# Altium PCB Copy of Main.PcbDoc (part 2 of 6)
Units mm, origin at the board's own origin, x right, y up, seen from the top; angles counter-clockwise.
Board outline 181.65 x 83.38 mm, 6 copper layers (Top Layer, Signal 1, GND, VCC, Signal 2, Bottom Layer), stack 0.816 mm thick; 297 components, 263 nets, 1171 pads, 811 vias.
Unrouted connection lines stored in the file: 292.
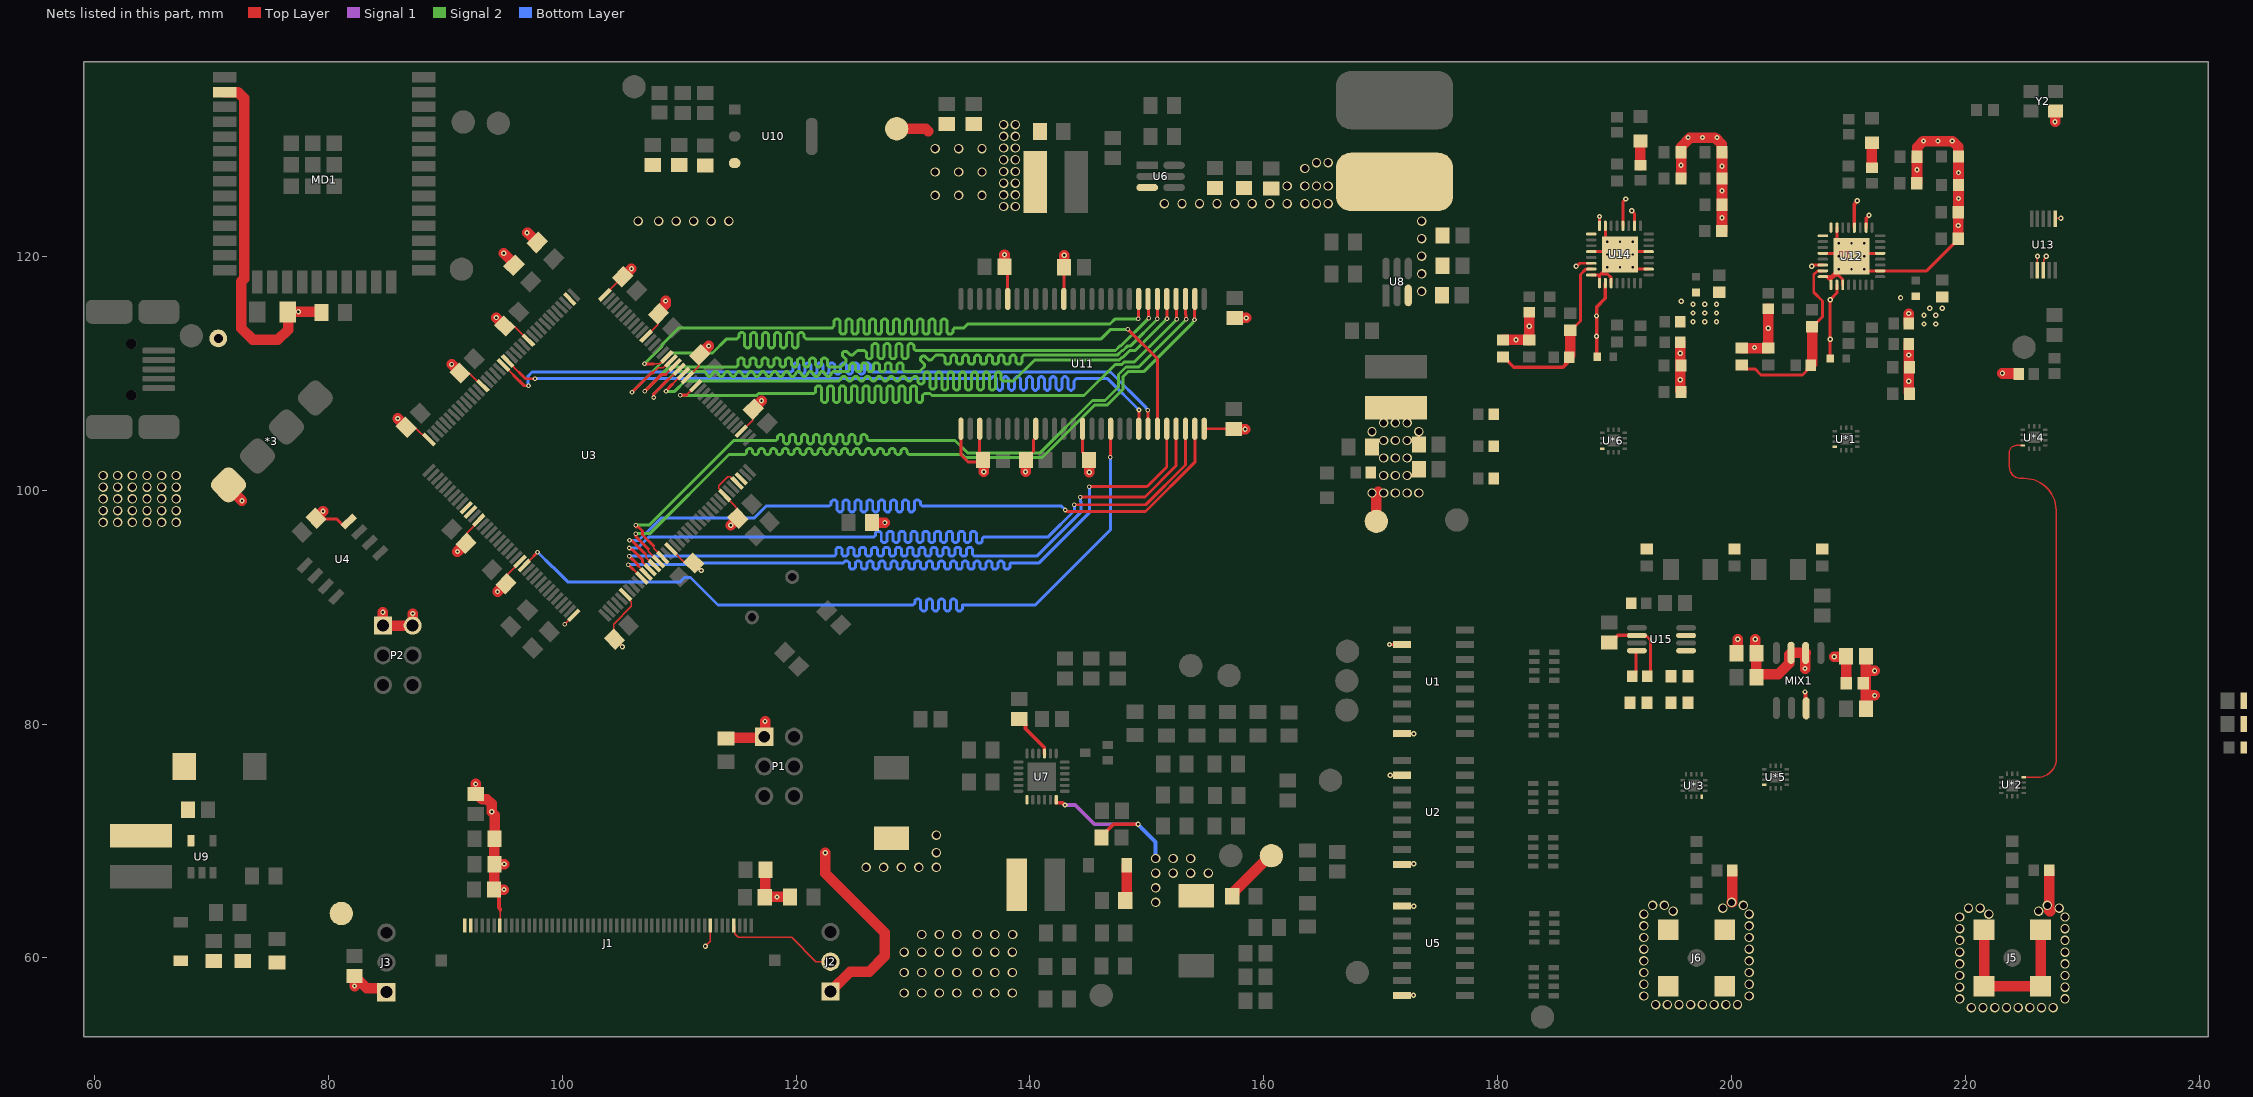
[diagram p5: the nets of this part, all layers, seen from the top]

## Via types
v1: diameter 0.8, hole 0.6, Top Layer to Bottom Layer, tented both sides, 397 vias
v2: diameter 0.45, hole 0.2, Top Layer to Bottom Layer, tented both sides, 228 vias
v3: diameter 0.4, hole 0.2, Top Layer to Bottom Layer, tented both sides, 138 vias
v4: diameter 0.45, hole 0.2, Top Layer to Bottom Layer, 25 vias
v5: diameter 0.5, hole 0.2, Top Layer to Bottom Layer, tented both sides, 23 vias

## Nets (pads, with @x,y where several pads share a name; then routed paths per layer and width w, separated by ;. In a path a pad name is that pad's centre, name@x,y a point inside that pad or via, vN(x,y) a via of type N, cw(c..) or ccw(c..) an arc to the next point about the centre after c; other vN are vias at no path point) (continued)
+3.3: *3.1 *11.1 C1.2 C2.2 C3.2 C4.2 C5.2 C6.2 C7.2 C10.2 C12.2 C13.2 C14.2 C15.2 C16.2 C17.2 C18.2 C19.2 C20.2 C21.2 C33.2 C34.2 C50.2 C51.2 C52.2 C59.2 C60.2 C61.2 C62.2 C63.2 C64.2 C65.2 C68.2 C69.2 C70.2 C71.2 C72.2 C73.2 C74.2 C75.2 C99.2 C101.2 C102.2 C103.2 C104.2 C105.2 C106.2 C107.2 C108.2 C109.2 C111.2 C112.2 C113.2 C116.2 C117.2 C118.2 C122.2 C123.2 C124.2 C147.2 C148.2 C149.2 C150.2 J1.7 J2.1 J3.1 L3.2 L5.1 L6.2 L7.2 L10.2 MD1.2 P1.1 P2.1 P2.2 R1.1 R2.2 R3.2 R4.2 R5.2 R8.1 R19.2 R23.1 R44.2 R58.2 U1.10 U1.16 U2.10 U2.16 U3.6 U3.17 U3.30 U3.33 U3.39 U3.52 U3.62 U3.72 U3.84 U3.95 U3.108 U3.121 U3.131 U3.144 U4.8 U5.10 U5.16 U10.3 U11.1 U11.3 U11.9 U11.14 U11.27 U11.43 U11.49 U12.6 U12.10 U12.26 U12.28 U12.32 U13.1 U13.7 U14.6 U14.10 U14.26 U14.28 U14.32 U*1.4 U*2.4 U*3.4 U*4.4 U*5.4 U*6.4 Y2.4 | length 237.4
  Top Layer w0.127: C13.2@86.674,105.374 86.745,105.303 87.497,105.303 88.424,104.376 U3.108@88.65,104.376 ; C14.2@91.274,110.024 92.033,110.024 93.135,108.922 U3.95@93.221,108.922 ; C150.2@91.776,95.449 91.847,95.52 91.847,96.324 92.867,97.345 U3.121@92.867,97.432 ; J1.7@94.675,62.775 94.7,62.8 94.7,64.1 ; C15.2@95.024,113.974 95.947,113.974 U3.84@97.11,112.811 ; C149.2@95.201,91.999 95.201,92.694 U3.131@96.403,93.896 ; v3@100.225,88.526 U3.144@100.999,89.3 101.353,89.653 U3.144@101.51,89.653 ; C148.2@103.63,87.32 C148.2@104.403,87.32 ; U3.72@103.651,116.7 103.651,116.728 C19.2@105.174,118.251 ; C148.2@104.474,87.249 C148.2@104.403,87.32 ; U3.6@105.419,91.068 105.419,90.981 105.93,90.47 105.93,90.067 104.403,88.541 C148.2@104.403,87.32 ; U3.62@107.186,113.165 108.178,114.157 108.178,115.005 C16.2@108.249,115.076 ; U3.17@109.308,94.957 109.312,94.957 110.492,93.776 C20.2@111.251,93.776 ; U3.52@110.722,109.629 111.703,110.61 111.703,111.505 C17.2@111.774,111.576 ; U3.33@114.965,100.614 114.878,100.614 114.367,101.125 114.148,101.125 113.393,100.369 113.393,100.151 113.904,99.64 U3.30@113.904,99.553 114.817,98.639 114.817,98.564 115.024,98.358 C21.2@115.024,97.599 ; U3.39@115.318,105.033 116.278,105.993 116.278,106.855 C18.2@116.349,106.926 ; U*4.4@224.904,103.823 224.323,103.823 ccw(c224.323,103.25) 223.75,103.25 223.75,102 ccw(c224.75,102) 224.75,101 225.032,101 cw(c225.032,98.282) 227.75,98.282 227.75,77 cw(c226.2,77) 226.2,75.45 U*2.4@224.975,75.45 ; U13.7@226.154,118.798 v4(226.154,119.998) ; U13.1@227.654,123.198 227.704,123.248 v4(228.154,123.248)
  Top Layer w0.254: C12.2@78.951,97.601 79.022,97.53 80.732,97.53 81.224,97.038 81.469,97.038 U4.8@81.752,97.321 ; C148.2@104.474,87.249 104.51,87.249 v2(105.155,86.604) ; C20.2@111.251,93.776 111.9,93.127 v2(111.9,93.125) ; U11.1@134.1,105.25 134.1,103.025 134.7,102.425 135.85,102.425 C62.2@136,102.575 135.7,102.875 U11.3@135.7,105.25 ; C65.2@137.825,119.1 138.1,118.825 U11.49@138.1,116.35 ; C61.2@139.65,102.575 139.65,102.675 140.301,103.326 140.301,104.296 140.5,104.495 U11.9@140.5,105.25 ; U11.43@142.9,116.35 142.9,119.025 C64.2@142.925,119.05 ; U11.14@144.5,105.25 144.5,103.225 145.05,102.675 C60.2@145.05,102.575 ; U11.27@154.9,105.25 157.4,105.25 C59.2@157.425,105.225 ; v2(170.75,86.795) 170.752,86.793 171.797,86.793 U1.10@171.8,86.79 ; v2(170.8,75.62) U2.10@171.8,75.62 ; U5.16@171.8,56.805 171.807,56.813 172.792,56.813 v2(172.8,56.82) ; U5.10@171.8,64.425 172.02,64.425 172.025,64.42 v2(172.825,64.42) ; U2.16@171.8,68 171.822,68.023 172.802,68.023 v2(172.825,68.045) ; U1.16@171.8,79.17 v2(172.825,79.17) ; v2(186.702,119.149) 186.755,119.149 187.005,119.399 U14.6@188.002,119.399 ; U14.32@188.702,122.599 v2(188.702,123.399) ; U14.28@190.702,122.599 190.702,124.649 v2(190.952,124.899) ; v2(191.452,123.899) 191.702,123.649 U14.26@191.702,122.599 ; v2(206.85,119.15) 206.95,119.25 U12.6@207.8,119.25 ; L5.1@208.45,111.25 208.425,111.25 v2(208.425,112.9) v2(208.425,116.278) 208.998,116.851 208.998,117.548 U12.10@209,117.55
  Top Layer w0.305: C7.2@94.175,65.85 94.6,65.425 94.6,64.3 94.7,64.2 94.7,64.1 ; L7.2@188.527,111.399 188.452,111.474 188.452,115.649 189.202,116.399 U14.10@189.202,117.699 ; U12.28@210.5,122.45 210.5,124.461 210.75,124.71 v2(210.75,124.75) ; U12.26@211.5,122.45 211.523,122.473 211.523,123.233 211.75,123.461 v2(211.75,123.5)
  Top Layer w0.9: MD1.2@71.165,134.04 72.264,134.04 72.815,133.489 72.815,118.081 72.575,117.841 72.575,113.84 73.565,112.85 75.7,112.85 76.575,113.725 76.575,115.2 C10.2@76.525,115.25 v2(77.45,115.25) R2.2@79.425,115.25 ; *3.1@71.475,100.45 71.475,100.25 v2(72.625,99.1) ; C12.2@78.951,97.601 v2(79.552,98.202) ; v2(82.25,57.6) C2.2@82.25,58.45 83.29,57.41 84.64,57.41 J3.1@84.975,57.075 ; v2(84.675,89.55) 84.675,88.42 P2.1@84.68,88.415 P2.2@87.22,88.415 87.225,88.42 v2(87.225,89.45) ; v2(85.95,106.125) 86.674,105.401 C13.2@86.674,105.374 ; v2(90.55,110.75) v2(90.55,110.75) C14.2@91.274,110.024 ; v2(91.05,94.75) 91.749,95.449 C150.2@91.776,95.449 ; v2(92.6,74.875) C3.2@92.6,74.025 92.7,74.025 93.15,73.575 93.569,73.575 93.974,73.17 v2(93.974,72.491) 94.25,72.215 94.25,70.225 C5.2@94.2,70.175 C6.2@94.2,68.025 ; v2(94.373,114.752) 95.097,114.028 C15.2@95.097,114.026 ; v2(94.475,91.325) 95.149,91.999 C149.2@95.201,91.999 ; v2(95,120.25) 95.893,119.357 R4.2@95.893,119.232 ; v2(95.025,65.85) C7.2@94.175,65.85 94.188,65.862 94.188,68.013 C6.2@94.2,68.025 ; v2(95.05,68.025) C6.2@94.2,68.025 ; v2(97,122) 97.05,122 R5.2@97.868,121.182 ; C19.2@105.174,118.251 105.251,118.251 v2(105.925,118.925) ; C16.2@108.249,115.076 108.249,115.288 108.847,115.887 v2(108.847,116.179) ; C17.2@111.774,111.576 111.776,111.576 v2(112.525,112.325) ; R8.1@114,78.775 114.07,78.845 117.21,78.845 P1.1@117.28,78.915 117.35,78.985 v2(117.35,80.225) ; v2(114.423,96.998) C21.2@115.024,97.599 ; C18.2@116.349,106.926 116.349,106.949 v2(117.05,107.65) ; C4.2@117.325,65.2 C4.2@117.337,65.213 ; C1.2@117.375,67.525 117.35,67.5 117.35,65.225 C4.2@117.337,65.213 ; R1.1@119.475,65.225 119.462,65.213 v2(118.375,65.213) C4.2@117.337,65.213 ; v2(122.5,69) 122.5,67.25 127.6,62.15 127.6,60.165 126.252,58.818 124.633,58.818 J2.1@122.95,57.135 ; R3.2@126.5,97.225 v2(127.6,97.225) ; C62.2@136,102.575 136.05,102.525 v2(136.05,101.575) ; C65.2@137.825,119.1 v2(137.825,120.125) ; v2(139.625,101.575) 139.625,102.55 C61.2@139.65,102.575 ; C64.2@142.925,119.05 v2(142.925,120.075) ; C60.2@145.05,102.575 145.075,102.55 v2(145.075,101.525) ; C59.2@157.425,105.225 157.45,105.2 v2(158.4,105.2) ; C63.2@157.5,114.725 v2(158.5,114.725) ; *11.1@169.625,97.325 169.625,99.7 169.775,99.85 ; R44.2@215.15,114.25 v2(215.15,115.1) ; v4(227.654,131.498) 227.654,132.373 Y2.4@227.704,132.423
  other v1: 169.25,99.75 170.25,99.75 171.25,99.75 172.25,99.75 173.25,99.75 170.25,101.25 171.25,101.25 172.25,101.25 170.25,102.75 171.25,102.75 172.25,102.75 170.25,104.25 171.25,104.25 172.25,104.25 169.25,105 173.25,105 170.25,105.75 171.25,105.75 172.25,105.75 106.5,123 108.25,123 109.75,123 111.25,123 112.75,123 114.25,123
  other v2: 188.452,113.149 216.45,114.2 217.45,114.2 196.702,114.399 197.702,114.399 198.702,114.399 188.452,114.899 216.45,114.95 217.45,114.95 196.702,115.149 197.702,115.149 198.702,115.149 216.95,115.55 218,115.55 196.702,115.899 197.702,115.899 198.702,115.899 195.702,116.149 214.45,116.45
  other v3: 100.225,88.525
+5: "TP *1.1" C23.2 C24.2 C31.2 C44.2 C45.2 C86.2 C87.2 C88.2 C89.2 C90.2 C91.2 C92.2 C93.2 C119.2 C120.2 C121.2 C144.2 C145.2 L1.2 L2.1 L4.1 MIX1.7 pad.2 R9.2 U7.7 U9.5 U15.5 U15.7 | length 8.8
  Top Layer w0.305: v4(206.276,82.746) 206.276,82.707 206.319,82.663 206.319,81.403 MIX1.7@206.376,81.346
  Top Layer w0.9: 128.6,130.9 131.075,130.9 131.3,130.675 ; C119.2@200.426,86.046 200.526,86.146 v4(200.526,87.246) ; v4(208.776,85.746) 209.726,85.746 C120.2@209.776,85.796 209.788,85.784 209.788,83.509 C121.2@209.801,83.496
  other v1: 129.25,57 130.75,57 132.25,57 133.75,57 135.5,57 137,57 138.5,57 129.25,58.75 130.75,58.75 132.25,58.75 133.75,58.75 135.5,58.75 137,58.75 138.5,58.75 129.25,60.5 130.75,60.5 132.25,60.5 133.75,60.5 135.5,60.5 137,60.5 138.5,60.5 130.75,62 132.25,62 133.75,62 135.5,62 137,62 138.525,62 126,67.75 127.5,67.75 129,67.75 130.5,67.75 132,67.75 132,69 132,70.5 60.75,97.25 62,97.25 63.25,97.25 64.5,97.25 65.75,97.25 67,97.25 60.75,98.25 62,98.25 63.25,98.25 64.5,98.25 65.75,98.25 67,98.25 60.75,99.25 62,99.25 63.25,99.25 64.5,99.25 65.75,99.25 67,99.25 60.75,100.25 62,100.25 63.25,100.25 64.5,100.25 65.75,100.25 67,100.25 60.75,101.25 62,101.25 63.25,101.25 64.5,101.25 65.75,101.25 67,101.25 137.75,124.25 138.75,124.25 131.9,125.2 133.9,125.2 135.9,125.2 137.75,125.25 138.75,125.25 137.75,126.25 138.75,126.25 131.9,127.2 133.9,127.2 135.9,127.2 137.75,127.25 138.75,127.25 137.75,128.25 138.75,128.25 131.9,129.2 133.9,129.2 135.9,129.2 137.75,129.25 138.75,129.25 137.75,130.25 138.75,130.25 137.75,131.25 138.75,131.25
+12: C25.2 C26.2 C27.2 C35.2 C36.2 C37.2 I*1.1 U6.3 U8.3
  other v1: 173.5,117 173.5,118.5 173.5,120 173.5,121.5 173.5,123 151.5,124.5 153,124.5 154.5,124.5 156,124.5 157.5,124.5 159,124.5 160.5,124.5 162,124.5 163.5,124.5 164.5,124.5 165.5,124.5 162,126 163.5,126 164.5,126 165.5,126 163.5,127.5 164.5,128 165.5,128
+VL: *18.1 C42.2 C43.2 D2.1 J1.1 J1.2 R27.2
ADC_MCU: C138.2 R64.2 U3.34 U15.4 | length 2.4
  Top Layer w0.254: R64.2@191.5,84.075 191.823,84.398 191.823,86.198 U15.4@191.9,86.275
AGND: *21.1 *22.1 C68.1 C69.1 C70.1 C71.1 C72.1 C73.1 C74.1 C75.1 C78.1 C79.1 C80.1 C81.1 C84.1 C85.1 C86.1 C87.1 C88.1 C89.1 C90.1 C91.1 C92.1 C93.1 C94.1 C95.1 C97.1 C98.1 C114.2 C115.2 C119.1 C120.1 C121.1 C128.1 C129.1 C130.1 C131.1 C132.1 C133.1 C135.1 C136.2 C137.1 C138.1 C140.1 C141.1 C142.1 C143.1 C144.1 C145.1 C146.1 J5.2 J5.3 J5.4 J5.5 J6.2 J6.3 J6.4 J6.5 MIX1.2 MIX1.3 R43.1 R45.2 R46.2 R48.2 R49.1 R51.1 R55.2 R57.1 R60.1 R63.2 R64.1 R67.2 U12.4 U12.8 U12.9 U12.11 U12.18 U12.21 U12.31 U12.33 U13.8 U14.4 U14.8 U14.9 U14.11 U14.18 U14.21 U14.31 U14.33 U15.2 | length 133.7
  Top Layer w0.127: U13.8@226.654,118.798 226.682,118.826 226.682,119.688 226.904,119.911 v4(226.904,119.998)
  Top Layer w0.254: U14.8@188.002,118.399 188.004,118.401 188.704,118.401 ; U14.4@188.002,120.399 U14.33@190.202,120.399 ; U14.9@188.702,117.699 188.704,117.701 188.704,118.401 ; U14.31@189.202,122.599 189.202,121.399 v5(189.352,121.249) U14.33@190.202,120.399 ; U14.11@189.702,117.699 189.7,117.701 189.7,118.165 189.389,118.476 188.779,118.476 ; U15.2@191.9,87.575 192.578,87.575 192.676,87.477 192.754,87.477 193.077,87.154 193.077,84.352 R64.1@192.8,84.075 ; U14.18@192.902,118.899 191.702,118.899 v5(191.552,119.049) v5(190.452,120.149) ; U14.21@192.902,120.399 190.702,120.399 v5(190.452,120.149) ; U12.8@207.8,118.25 208.121,118.25 208.355,118.016 208.502,118.016 208.813,118.327 ; U12.4@207.8,120.25 U12.33@210,120.25 ; U12.8@207.802,118.252 208.502,118.252 U12.33@208.827,118.577 ; U12.31@209,122.45 209,121.25 v5(209.15,121.1) U12.33@210,120.25 ; U12.11@209.5,117.55 U12.11@209.5,117.55 209.498,118.016 209.173,118.341 208.827,118.341 U12.33@208.827,118.577 ; v5(211.35,118.9) 211.5,118.75 U12.18@212.7,118.75 216.675,118.75 219.375,121.45 C81.1@219.375,121.5 ; U12.21@212.7,120.25 210.5,120.25 v5(210.25,120) ; 188.704,118.401 188.779,118.476 ; 188.779,118.476 v5(189.352,119.049) v5(190.452,120.149) ; U14.33@190.202,120.399 v5(190.452,120.149) ; U12.33@208.827,118.577 v5(209.15,118.9) v5(210.25,120) ; U12.33@210,120.25 v5(210.25,120)
  Top Layer w0.305: C136.2@189.55,86.975 189.65,86.975 190.25,87.575 U15.2@191.9,87.575
  Top Layer w0.9: C143.1@180.452,112.849 182.677,112.849 C146.1@182.702,112.824 R67.2@182.702,115.224 ; R60.1@195.602,112.649 195.602,108.58 ccw(c195.858,108.58) C129.1@195.677,108.399 ; C132.1@195.677,126.649 C133.1@195.677,128.899 195.677,129.374 196.452,130.149 198.575,130.149 199.152,129.572 199.152,128.924 C137.1@199.177,128.899 C135.1@199.177,126.649 C131.1@199.177,124.399 v2(199.177,123.286) 199.177,122.174 C128.1@199.152,122.149 ; v1(200,64.75) ccw(c200,64.8) 200.05,64.8 R51.1@200.05,67.475 ; C97.1@200.875,112.15 C98.1@203.125,112.15 R55.2@203.125,115.525 ; v4(202.026,87.246) 202.026,86.146 C119.1@202.126,86.046 C115.2@202.126,84.096 ; C115.2@202.126,83.996 C115.2@202.126,84.096 ; v4(206.276,84.746) 206.276,86.021 MIX1.2@206.326,86.071 206.318,86.079 205.089,86.079 MIX1.3@205.081,86.087 204.931,85.937 204.931,85.183 203.994,84.246 202.276,84.246 C115.2@202.126,84.096 ; C114.2@211.476,81.296 211.476,82.446 ; C120.1@211.476,85.796 211.476,84.546 ; v4(212.226,82.446) 211.476,82.446 ; v4(212.226,84.546) 211.476,84.546 ; R49.1@215.15,112.5 215.15,108.375 215.225,108.3 C80.1@215.225,108.25 ; C84.1@215.825,126.25 215.85,126.275 C85.1@215.85,128.5 215.875,128.525 215.875,129.323 v2(216.402,129.85) v2(217.637,129.85) v2(218.873,129.85) 219.375,129.348 219.375,128.55 C94.1@219.4,128.525 v2(219.4,127.15) C95.1@219.4,126.1 v2(219.4,124.937) 219.4,123.775 C78.1@219.375,123.75 v2(219.375,122.625) C81.1@219.375,121.5 ; J5.2@221.587,62.413 J5.4@221.587,57.587 J5.5@226.413,57.587 J5.3@226.413,62.413 ; v4(223.154,109.998) 223.179,109.973 224.554,109.973 R57.1@224.554,109.923 ; R43.1@227.15,67.5 227.15,64.1 ccw(c227.25,64.1) 227.25,64 ; 211.476,82.446 211.476,84.546
  other v1: 220.5,55.75 221.5,55.75 222.5,55.75 223.5,55.75 224.5,55.75 225.5,55.75 226.5,55.75 227.5,55.75 193.5,56 194.5,56 195.5,56 196.5,56 197.5,56 198.5,56 199.5,56 200.5,56 219.5,56.5 228.5,56.5 192.5,56.75 201.5,56.75 219.5,57.5 228.5,57.5 192.5,57.75 201.5,57.75 219.5,58.5 228.5,58.5 192.5,58.75 201.5,58.75 219.5,59.5 228.5,59.5 192.5,59.75 201.5,59.75 219.5,60.5 228.5,60.5 192.5,60.75 201.5,60.75 219.5,61.5 228.5,61.5 192.5,61.75 201.5,61.75 219.5,62.5 228.5,62.5 192.5,62.75 201.5,62.75 219.5,63.5 228.5,63.5 192.5,63.75 201.5,63.75 222,63.75 195,64 226.25,64 199.25,64.25 220.25,64.25 221.25,64.25 228,64.25 193.25,64.5 194.25,64.5 201,64.5 227,64.5
  other v2: 215.15,109.3 195.602,109.449 215.15,111.55 195.602,111.699 201.95,112.2 181.564,112.849 203.125,113.838 182.702,114.024 199.177,125.599 215.85,127.387 199.177,127.699 195.677,127.774 196.278,130.149 197.513,130.149 198.749,130.149
  other v5: 210.25,118.9 190.452,119.049 209.15,120 211.35,120 189.352,120.149 191.552,120.149 210.25,121.1 211.35,121.1 190.452,121.249 191.552,121.249
AVDD_LCD: *17.1 C28.2 C29.2 D1.1 J1.43 R12.2 R25.1 U7.12 | length 25.2
  Top Layer w0.127: v2(112.25,61) 112.675,61.425 J1.43@112.675,62.775
  Top Layer w0.305: U7.12@142.25,73.525 142.25,73.265 142.262,73.252 142.783,73.252 142.961,73.075 v2(143,73.075) ; C29.2@146.125,70.3 146.125,70.4 147.15,71.425 v2(149.25,71.425)
  Top Layer w0.9: R12.2@148.15,64.9 148.281,65.031 148.281,67.918 D1.1@148.288,67.925 ; R25.1@157.3,65.275 157.45,65.425 157.45,65.669 160.531,68.75 *17.1@160.65,68.75
  Signal 1 w0.305: v2(143,73.075) 143.875,73.075 145.525,71.425 v2(149.25,71.425)
  Bottom Layer w0.35: v2(149.25,71.425) 150.75,69.925 v1(150.75,68.5)
  other v1: 150.75,64.75 150.75,66 150.75,67.25 152.25,67.25 153.75,67.25 155.25,67.25 152.25,68.5 153.75,68.5
CHECK_LOCK_HET: LED3.2 R62.2 U3.118 | length 2.1
  Top Layer w0.9: R62.2@192.202,127.799 LED3.2@192.202,129.849
CHECK_LOCK_REF: LED2.2 R52.2 U3.119 | length 2.2
  Top Layer w0.9: R52.2@212,127.55 LED2.2@212,129.7
CLK_HET: U3.74 U12.1 U14.1
CPUOT_HET: C139.2 C143.2 R66.1 U14.7 | length 15.2
  Top Layer w0.254: C139.2@186.202,113.649 186.252,113.649 187.068,114.465 187.068,118.429 187.536,118.897 188,118.897 U14.7@188.002,118.899
  Top Layer w0.305: C143.2@180.452,111.399 180.502,111.399 181.379,110.522 185.575,110.522 185.923,110.87 185.923,111.195 R66.1@186.102,111.374
  Top Layer w0.9: R66.1@186.102,111.374 186.102,111.424 186.202,111.524 186.202,113.649 C139.2@186.202,113.674
CPUOT_REF: C96.2 C97.2 R54.1 U12.7 | length 16.1
  Top Layer w0.254: C97.2@200.875,110.7 201.223,110.352 202.011,110.352 202.515,109.848 206.06,109.848 206.452,110.24 206.452,110.402 R54.1@206.875,110.825 ; C96.2@206.875,113.975 206.925,113.975 207.775,114.825 207.775,116.175 207.023,116.927 207.023,118.437 207.334,118.748 207.798,118.748 U12.7@207.8,118.75
  Top Layer w0.9: R54.1@206.875,110.825 C96.2@206.875,113.975
DITH: J1.47 J2.2 | length 9.9
  Top Layer w0.127: J1.47@114.675,62.775 114.762,62.688 114.762,62.066 115.077,61.75 119.617,61.75 121.692,59.675 J2.2@122.95,59.675
DRV: C40.2 U7.21 | length 3.9
  Top Layer w0.305: C40.2@139.075,80.45 139.175,80.45 139.623,80.002 139.623,79.584 141.242,77.964 141.242,77.483 U7.21@141.25,77.475
FMC_A0: U3.10 U11.23 | length 70.4
  Top Layer w0.127: 106.1,93.2 106.115,93.2 U3.10@106.833,92.482
  Top Layer w0.254: v3(105.65,93.625) 105.675,93.625 106.1,93.2 ; v3(145.075,100.3) 150.025,100.3 151.7,101.975 U11.23@151.7,105.25
  Bottom Layer w0.254: v3(105.65,93.625) 111.543,93.625 111.668,93.75 123.8,93.75 124.01,93.75 124.054,93.794 124.206,93.946 124.41,93.946 124.562,93.794 124.562,93.75 124.562,93.394 124.714,93.242 124.918,93.242 125.07,93.394 125.07,93.75 125.07,93.794 125.222,93.946 125.426,93.946 125.578,93.794 125.578,93.75 125.578,93.394 125.73,93.242 125.934,93.242 126.086,93.394 126.086,93.75 126.086,93.794 126.238,93.946 126.442,93.946 126.594,93.794 126.594,93.75 126.594,93.394 126.746,93.242 126.95,93.242 127.102,93.394 127.102,93.75 127.102,93.794 127.254,93.946 127.458,93.946 127.61,93.794 127.61,93.75 127.61,93.394 127.762,93.242 127.966,93.242 128.118,93.394 128.118,93.75 128.118,93.794 128.27,93.946 128.474,93.946 128.626,93.794 128.626,93.75 128.626,93.394 128.778,93.242 128.982,93.242 129.134,93.394 129.134,93.75 129.134,93.794 129.286,93.946 129.49,93.946 129.642,93.794 129.642,93.75 129.642,93.394 129.794,93.242 129.998,93.242 130.15,93.394 130.15,93.75 130.15,93.794 130.302,93.946 130.506,93.946 130.658,93.794 130.658,93.75 130.658,93.394 130.81,93.242 131.014,93.242 131.166,93.394 131.166,93.75 131.166,93.794 131.318,93.946 131.522,93.946 131.674,93.794 131.674,93.75 131.674,93.394 131.826,93.242 132.03,93.242 132.182,93.394 132.182,93.75 132.182,93.794 132.334,93.946 132.538,93.946 132.69,93.794 132.69,93.75 132.69,93.394 132.842,93.242 133.046,93.242 133.198,93.394 133.198,93.75 133.198,93.794 133.35,93.946 133.554,93.946 133.706,93.794 133.706,93.75 133.706,93.394 133.858,93.242 134.062,93.242 134.214,93.394 134.214,93.75 134.214,93.794 134.366,93.946 134.57,93.946 134.722,93.794 134.722,93.75 134.722,93.394 134.874,93.242 135.078,93.242 135.23,93.394 135.23,93.75 135.23,93.794 135.382,93.946 135.586,93.946 135.738,93.794 135.738,93.75 135.738,93.394 135.89,93.242 136.094,93.242 136.246,93.394 136.246,93.75 136.246,93.794 136.398,93.946 136.602,93.946 136.754,93.794 136.754,93.75 136.754,93.394 136.906,93.242 137.11,93.242 137.262,93.394 137.262,93.75 137.262,93.794 137.414,93.946 137.618,93.946 137.77,93.794 137.77,93.75 137.77,93.394 137.922,93.242 138.126,93.242 138.278,93.394 138.278,93.678 138.35,93.75 140.75,93.75 145.075,98.075 v3(145.075,100.3)
FMC_A1: U3.11 U11.24 | length 70.1
  Top Layer w0.127: 106.5,93.525 106.5,93.522 U3.11@107.186,92.835
  Top Layer w0.254: v3(105.747,94.35) 106.5,93.597 106.5,93.525 ; v3(144.307,99.405) 144.323,99.421 149.846,99.421 152.5,102.075 U11.24@152.5,105.25
  Bottom Layer w0.254: v3(105.747,94.35) 123.161,94.35 123.262,94.35 123.415,94.502 123.415,94.96 123.567,95.112 123.77,95.112 123.923,94.96 123.923,94.502 124.075,94.35 124.278,94.35 124.431,94.502 124.431,94.96 124.583,95.112 124.786,95.112 124.939,94.96 124.939,94.502 125.091,94.35 125.294,94.35 125.447,94.502 125.447,94.96 125.599,95.112 125.802,95.112 125.955,94.96 125.955,94.502 126.107,94.35 126.31,94.35 126.463,94.502 126.463,94.96 126.615,95.112 126.818,95.112 126.971,94.96 126.971,94.502 127.123,94.35 127.326,94.35 127.479,94.502 127.479,94.96 127.631,95.112 127.834,95.112 127.987,94.96 127.987,94.502 128.139,94.35 128.342,94.35 128.495,94.502 128.495,94.96 128.647,95.112 128.85,95.112 129.003,94.96 129.003,94.502 129.155,94.35 129.358,94.35 129.511,94.502 129.511,94.96 129.663,95.112 129.866,95.112 130.019,94.96 130.019,94.502 130.171,94.35 130.374,94.35 130.527,94.502 130.527,94.96 130.679,95.112 130.882,95.112 131.035,94.96 131.035,94.502 131.187,94.35 131.39,94.35 131.543,94.502 131.543,94.96 131.695,95.112 131.898,95.112 132.051,94.96 132.051,94.502 132.203,94.35 132.406,94.35 132.559,94.502 132.559,94.96 132.711,95.112 132.914,95.112 133.067,94.96 133.067,94.502 133.219,94.35 133.422,94.35 133.575,94.502 133.575,94.96 133.727,95.112 133.93,95.112 134.083,94.96 134.083,94.502 134.235,94.35 134.438,94.35 134.591,94.502 134.591,94.96 134.743,95.112 134.946,95.112 135.099,94.96 135.099,94.501 135.25,94.35 140.575,94.35 144.381,98.156 144.381,98.991 144.335,99.037 144.335,99.377 v3(144.307,99.405)
FMC_A2: U3.12 U11.25 | length 70.7
  Top Layer w0.127: 106.879,93.85 U3.12@107.54,93.189
  Top Layer w0.254: v3(105.75,95.05) 105.79,95.05 105.909,94.931 105.987,94.931 106.879,94.04 106.879,93.85 ; v3(143.8,98.75) 149.9,98.75 153.3,102.15 U11.25@153.3,105.25
  Bottom Layer w0.254: v3(105.75,95.05) 106.468,95.05 107.393,95.975 126.525,95.975 126.627,95.975 126.779,96.127 126.779,96.331 126.931,96.483 127.135,96.483 127.287,96.331 127.287,95.975 127.287,95.668 127.439,95.516 127.643,95.516 127.795,95.668 127.795,95.975 127.795,96.331 127.947,96.483 128.151,96.483 128.303,96.331 128.303,95.975 128.303,95.668 128.455,95.516 128.659,95.516 128.811,95.668 128.811,95.975 128.811,96.331 128.963,96.483 129.167,96.483 129.319,96.331 129.319,95.975 129.319,95.668 129.471,95.516 129.675,95.516 129.827,95.668 129.827,95.975 129.827,96.331 129.979,96.483 130.183,96.483 130.335,96.331 130.335,95.975 130.335,95.668 130.487,95.516 130.691,95.516 130.843,95.668 130.843,95.975 130.843,96.331 130.995,96.483 131.199,96.483 131.351,96.331 131.351,95.975 131.351,95.668 131.503,95.516 131.707,95.516 131.859,95.668 131.859,95.975 131.859,96.331 132.011,96.483 132.215,96.483 132.367,96.331 132.367,95.975 132.367,95.668 132.519,95.516 132.723,95.516 132.875,95.668 132.875,95.975 132.875,96.331 133.027,96.483 133.231,96.483 133.383,96.331 133.383,95.975 133.383,95.668 133.535,95.516 133.739,95.516 133.891,95.668 133.891,95.975 133.891,96.331 134.043,96.483 134.247,96.483 134.399,96.331 134.399,95.975 134.399,95.668 134.551,95.516 134.755,95.516 134.907,95.668 134.907,95.975 134.907,96.331 135.059,96.483 135.263,96.483 135.415,96.331 135.415,95.975 135.415,95.619 135.567,95.467 135.771,95.467 135.923,95.619 135.923,95.873 136.025,95.975 141.525,95.975 143.812,98.263 143.812,98.738 v3(143.8,98.75)
FMC_A3: U3.13 U11.26 | length 69.9
  Top Layer w0.127: 107.075,94.575 107.2,94.45 107.2,94.236 U3.13@107.893,93.542
  Top Layer w0.254: v3(105.755,95.705) 105.783,95.677 105.973,95.677 107.075,94.575 ; v3(143.032,98.305) 143.168,98.169 149.89,98.169 154.1,102.379 U11.26@154.1,105.25
  Bottom Layer w0.254: v3(105.755,95.705) 105.766,95.694 106.541,95.694 108.451,97.604 116.404,97.604 117.45,98.65 122.75,98.65 122.852,98.65 123.004,98.802 123.004,99.006 123.156,99.158 123.36,99.158 123.512,99.006 123.512,98.65 123.512,98.294 123.664,98.142 123.868,98.142 124.02,98.294 124.02,98.65 124.02,99.006 124.172,99.158 124.376,99.158 124.528,99.006 124.528,98.65 124.528,98.294 124.68,98.142 124.884,98.142 125.036,98.294 125.036,98.65 125.036,99.006 125.188,99.158 125.392,99.158 125.544,99.006 125.544,98.65 125.544,98.294 125.696,98.142 125.9,98.142 126.052,98.294 126.052,98.65 126.052,99.006 126.204,99.158 126.408,99.158 126.56,99.006 126.56,98.65 126.56,98.294 126.712,98.142 126.916,98.142 127.068,98.294 127.068,98.65 127.068,99.006 127.22,99.158 127.424,99.158 127.576,99.006 127.576,98.65 127.576,98.294 127.728,98.142 127.932,98.142 128.084,98.294 128.084,98.65 128.084,99.006 128.236,99.158 128.44,99.158 128.592,99.006 128.592,98.65 128.592,98.294 128.744,98.142 128.948,98.142 129.1,98.294 129.1,98.65 129.1,99.006 129.252,99.158 129.456,99.158 129.608,99.006 129.608,98.65 129.608,98.294 129.76,98.142 129.964,98.142 130.116,98.294 130.116,98.65 130.116,99.006 130.268,99.158 130.472,99.158 130.624,99.006 130.624,98.802 130.776,98.65 131.075,98.65 142.687,98.65 v3(143.032,98.305)
FMC_A4: U3.14 U11.29 | length 70.5
  Top Layer w0.127: 107.375,94.95 107.375,94.768 U3.14@108.247,93.896
  Top Layer w0.254: v3(106.3,96.275) 106.3,96.025 107.375,94.95 ; v3(154.075,114.575) 154.087,114.588 154.087,116.338 U11.29@154.1,116.35
  Signal 2 w0.254: v3(106.3,96.275) 107.5,96.275 114.275,103.05 115.525,103.05 115.627,103.05 115.779,103.202 115.779,103.406 115.931,103.558 116.135,103.558 116.287,103.406 116.287,103.202 116.439,103.05 116.643,103.05 116.795,103.202 116.795,103.406 116.947,103.558 117.151,103.558 117.303,103.406 117.303,103.202 117.455,103.05 117.659,103.05 117.811,103.202 117.811,103.406 117.963,103.558 118.167,103.558 118.319,103.406 118.319,103.202 118.471,103.05 118.675,103.05 118.827,103.202 118.827,103.406 118.979,103.558 119.183,103.558 119.335,103.406 119.335,103.202 119.487,103.05 119.691,103.05 119.843,103.202 119.843,103.406 119.995,103.558 120.199,103.558 120.351,103.406 120.351,103.202 120.503,103.05 120.707,103.05 120.859,103.202 120.859,103.406 121.011,103.558 121.215,103.558 121.367,103.406 121.367,103.202 121.519,103.05 121.723,103.05 121.875,103.202 121.875,103.406 122.027,103.558 122.231,103.558 122.383,103.406 122.383,103.202 122.535,103.05 122.739,103.05 122.891,103.202 122.891,103.406 123.043,103.558 123.247,103.558 123.399,103.406 123.399,103.202 123.551,103.05 123.755,103.05 123.907,103.202 123.907,103.406 124.059,103.558 124.263,103.558 124.415,103.406 124.415,103.202 124.567,103.05 124.771,103.05 124.923,103.202 124.923,103.406 125.075,103.558 125.279,103.558 125.431,103.406 125.431,103.202 125.583,103.05 125.787,103.05 125.939,103.202 125.939,103.406 126.091,103.558 126.295,103.558 126.447,103.406 126.447,103.202 126.599,103.05 126.803,103.05 126.955,103.202 126.955,103.406 127.107,103.558 127.311,103.558 127.463,103.406 127.463,103.202 127.615,103.05 127.819,103.05 127.971,103.202 127.971,103.406 128.123,103.558 128.327,103.558 128.479,103.406 128.479,103.202 128.631,103.05 128.835,103.05 128.987,103.202 128.987,103.406 129.139,103.558 129.343,103.558 129.495,103.406 129.495,103.202 129.647,103.05 130.003,103.05 130.225,103.05 134.232,103.05 134.492,102.79 141.043,102.79 145.515,107.261 146.588,107.261 147.97,108.644 147.97,109.717 148.384,110.131 149.728,110.131 153.956,114.359 153.956,114.416 154.075,114.535 v3(154.075,114.575)
FMC_A5: U3.15 U11.30 | length 70.8
  Top Layer w0.127: 107.825,95.225 107.825,95.025 U3.15@108.601,94.25
  Top Layer w0.254: v3(106.3,97) 106.3,96.856 106.541,96.856 106.881,96.516 106.881,96.169 107.825,95.225 ; U11.30@153.3,116.35 153.3,115.019 153.347,114.972 153.347,114.628 v3(153.375,114.6)
  Signal 2 w0.254: v3(106.3,97) 107.425,97 114.675,104.25 118.175,104.25 118.277,104.25 118.429,104.402 118.429,104.606 118.581,104.758 118.785,104.758 118.937,104.606 118.937,104.25 118.937,104.114 119.089,103.962 119.293,103.962 119.445,104.114 119.445,104.25 119.445,104.606 119.597,104.758 119.801,104.758 119.953,104.606 119.953,104.25 119.953,104.114 120.105,103.962 120.309,103.962 120.461,104.114 120.461,104.25 120.461,104.606 120.613,104.758 120.817,104.758 120.969,104.606 120.969,104.25 120.969,104.114 121.121,103.962 121.325,103.962 121.477,104.114 121.477,104.25 121.477,104.606 121.629,104.758 121.833,104.758 121.985,104.606 121.985,104.25 121.985,104.114 122.137,103.962 122.341,103.962 122.493,104.114 122.493,104.25 122.493,104.606 122.645,104.758 122.849,104.758 123.001,104.606 123.001,104.25 123.001,104.114 123.153,103.962 123.357,103.962 123.509,104.114 123.509,104.25 123.509,104.606 123.661,104.758 123.865,104.758 124.017,104.606 124.017,104.25 124.017,104.114 124.169,103.962 124.373,103.962 124.525,104.114 124.525,104.25 124.525,104.606 124.677,104.758 124.881,104.758 125.033,104.606 125.033,104.25 125.033,104.114 125.185,103.962 125.389,103.962 125.541,104.114 125.541,104.25 125.541,104.606 125.693,104.758 125.897,104.758 126.049,104.606 126.049,104.402 126.201,104.25 126.275,104.25 133.603,104.25 134.659,103.194 140.876,103.194 145.347,107.665 146.421,107.665 147.566,108.811 147.566,109.884 148.217,110.535 149.056,110.535 149.31,110.535 v3(153.375,114.6)
FMC_A6: U3.50 U11.31 | length 71.1
  Top Layer w0.127: 110.65,108.15 111.422,108.922 U3.50@111.429,108.922
  Top Layer w0.254: v3(110.1,108.1) 110.128,108.128 110.628,108.128 110.65,108.15 ; U11.31@152.5,116.35 152.525,116.325 152.525,114.625 v3(152.55,114.6)
  Signal 2 w0.254: v3(110.1,108.1) 110.106,108.106 116.649,108.106 116.799,108.256 121.425,108.256 121.527,108.256 121.679,108.408 121.679,108.771 121.831,108.924 122.035,108.924 122.187,108.771 122.187,108.256 122.187,107.646 122.339,107.494 122.543,107.494 122.695,107.646 122.695,108.256 122.695,108.771 122.847,108.924 123.051,108.924 123.203,108.771 123.203,108.256 123.203,107.646 123.355,107.494 123.559,107.494 123.711,107.646 123.711,108.256 123.711,108.771 123.863,108.924 124.067,108.924 124.219,108.771 124.219,108.256 124.219,107.646 124.371,107.494 124.575,107.494 124.727,107.646 124.727,108.256 124.727,108.771 124.879,108.924 125.083,108.924 125.235,108.771 125.235,108.256 125.235,107.646 125.387,107.494 125.591,107.494 125.743,107.646 125.743,108.256 125.743,108.771 125.895,108.924 126.099,108.924 126.251,108.771 126.251,108.256 126.251,107.646 126.403,107.494 126.607,107.494 126.759,107.646 126.759,108.256 126.759,108.771 126.911,108.924 127.115,108.924 127.267,108.771 127.267,108.256 127.267,107.646 127.419,107.494 127.623,107.494 127.775,107.646 127.775,108.256 127.775,108.771 127.927,108.924 128.131,108.924 128.283,108.771 128.283,108.256 128.283,107.646 128.435,107.494 128.639,107.494 128.791,107.646 128.791,108.256 128.791,108.771 128.943,108.924 129.147,108.924 129.299,108.771 129.299,108.256 129.299,107.646 129.451,107.494 129.655,107.494 129.807,107.646 129.807,108.256 129.807,108.771 129.959,108.924 130.163,108.924 130.315,108.771 130.315,108.256 130.315,107.646 130.467,107.494 130.671,107.494 130.823,107.646 130.823,108.104 130.975,108.256 131.16,108.256 131.455,108.256 131.62,108.091 144.632,108.091 147.269,110.728 147.839,110.728 148.05,110.939 148.889,110.939 v3(152.55,114.6)
FMC_A7: U3.53 U11.32 | length 70
  Top Layer w0.127: 109.425,109.05 109.436,109.05 U3.53@110.368,109.983
  Top Layer w0.254: v3(108.875,108.45) 108.875,108.5 109.425,109.05 ; U11.32@151.7,116.35 151.709,116.341 151.709,114.666 v3(151.719,114.656)
  Signal 2 w0.254: v3(108.875,108.45) 109.628,108.45 110.506,109.328 123.575,109.328 123.677,109.328 123.829,109.48 123.829,109.569 123.981,109.721 124.185,109.721 124.337,109.569 124.337,109.48 124.489,109.328 124.693,109.328 124.845,109.48 124.845,109.569 124.997,109.721 125.201,109.721 125.353,109.569 125.353,109.48 125.505,109.328 125.709,109.328 125.861,109.48 125.861,109.569 126.013,109.721 126.217,109.721 126.369,109.569 126.369,109.48 126.521,109.328 126.725,109.328 126.877,109.48 126.877,109.569 127.029,109.721 127.233,109.721 127.385,109.569 127.385,109.48 127.537,109.328 127.741,109.328 127.893,109.48 127.893,109.569 128.045,109.721 128.249,109.721 128.401,109.569 128.401,109.48 128.553,109.328 128.757,109.328 128.909,109.48 128.909,109.569 129.061,109.721 129.265,109.721 129.417,109.569 129.417,109.48 129.569,109.328 129.773,109.328 129.925,109.48 129.925,109.569 130.077,109.721 130.281,109.721 130.433,109.569 130.433,109.328 130.433,109.225 130.585,109.072 130.789,109.072 130.941,109.225 130.941,109.328 130.941,109.937 131.093,110.09 131.297,110.09 131.449,109.937 131.449,109.328 131.449,108.785 131.601,108.632 131.805,108.632 131.957,108.785 131.957,109.328 131.957,109.937 132.109,110.09 132.313,110.09 132.465,109.937 132.465,109.328 132.465,108.718 132.617,108.566 132.821,108.566 132.973,108.718 132.973,109.328 132.973,109.937 133.125,110.09 133.329,110.09 133.481,109.937 133.481,109.328 133.481,108.718 133.633,108.566 133.837,108.566 133.989,108.718 133.989,109.328 133.989,109.937 134.141,110.09 134.345,110.09 134.497,109.937 134.497,109.328 134.497,108.718 134.649,108.566 134.853,108.566 135.005,108.718 135.005,109.328 135.005,109.937 135.157,110.09 135.361,110.09 135.513,109.937 135.513,109.328 135.513,108.718 135.665,108.566 135.869,108.566 136.021,108.718 136.021,109.328 136.021,109.937 136.173,110.09 136.377,110.09 136.529,109.937 136.529,109.328 136.529,108.718 136.681,108.566 136.885,108.566 137.037,108.718 137.037,109.328 137.037,109.937 137.189,110.09 137.393,110.09 137.545,109.937 137.545,109.453 137.67,109.328 138.603,109.328 140.407,111.132 147.643,111.132 147.854,111.343 147.936,111.343 148.532,111.939 149.011,111.939 151.719,114.647 v3(151.719,114.656)
FMC_A8: U3.54 U11.33 | length 70.9
  Top Layer w0.127: 109.1,109.475 109.961,110.336 U3.54@110.015,110.336
  Top Layer w0.254: v3(107.825,107.925) 107.825,108.222 109.078,109.475 109.1,109.475 ; v3(150.9,114.65) U11.33@150.9,116.35
  Signal 2 w0.254: v3(107.825,107.925) 107.825,108.222 109.728,110.125 111.575,110.125 111.829,110.125 112.185,110.125 112.337,109.973 112.337,109.884 112.489,109.732 112.693,109.732 112.845,109.884 112.845,109.973 112.997,110.125 113.201,110.125 113.353,109.973 113.353,109.884 113.505,109.732 113.709,109.732 113.861,109.884 113.861,109.973 114.013,110.125 114.217,110.125 114.369,109.973 114.369,109.884 114.521,109.732 114.725,109.732 114.877,109.884 114.877,109.973 115.029,110.125 115.233,110.125 115.385,109.973 115.385,109.884 115.537,109.732 115.741,109.732 115.893,109.884 115.893,109.973 116.045,110.125 116.249,110.125 116.401,109.973 116.401,109.884 116.553,109.732 116.757,109.732 116.909,109.884 116.909,109.973 117.061,110.125 117.265,110.125 117.417,109.973 117.417,109.884 117.569,109.732 117.773,109.732 117.925,109.884 117.925,109.973 118.077,110.125 118.281,110.125 118.433,109.973 118.433,109.884 118.585,109.732 118.789,109.732 118.941,109.884 118.941,109.973 119.093,110.125 119.297,110.125 119.449,109.973 119.449,109.884 119.601,109.732 119.805,109.732 119.957,109.884 119.957,109.973 120.109,110.125 120.313,110.125 120.465,109.973 120.465,109.884 120.617,109.732 120.821,109.732 120.973,109.884 120.973,109.973 121.125,110.125 121.329,110.125 121.481,109.973 121.481,109.884 121.633,109.732 121.837,109.732 121.989,109.884 121.989,109.973 122.141,110.125 122.345,110.125 122.497,109.973 122.497,109.884 122.649,109.732 122.853,109.732 123.005,109.884 123.005,109.973 123.157,110.125 123.513,110.125 124.021,110.125 124.326,110.125 124.428,110.125 124.58,110.277 124.58,110.703 124.732,110.856 124.936,110.856 125.088,110.703 125.088,110.277 125.24,110.125 125.444,110.125 125.596,110.277 125.596,110.735 125.748,110.887 125.952,110.887 126.104,110.735 126.104,110.277 126.256,110.125 126.46,110.125 126.612,110.277 126.612,110.735 126.764,110.887 126.968,110.887 127.12,110.735 127.12,110.277 127.272,110.125 127.476,110.125 127.628,110.277 127.628,110.735 127.78,110.887 127.984,110.887 128.136,110.735 128.136,110.277 128.288,110.125 128.492,110.125 128.644,110.277 128.644,110.735 128.796,110.887 129,110.887 129.152,110.735 129.152,110.277 129.304,110.125 129.66,110.125 130.168,110.125 130.55,110.125 130.73,110.305 130.981,110.556 130.981,110.772 130.658,111.095 130.658,111.31 130.801,111.454 131.017,111.454 131.34,111.131 131.556,111.131 131.807,111.382 131.961,111.536 132.215,111.536 132.571,111.536 132.723,111.384 132.723,110.926 132.875,110.774 133.079,110.774 133.231,110.926 133.231,111.384 133.383,111.536 133.587,111.536 133.739,111.384 133.739,110.926 133.891,110.774 134.095,110.774 134.247,110.926 134.247,111.384 134.399,111.536 134.603,111.536 134.755,111.384 134.755,110.926 134.907,110.774 135.111,110.774 135.263,110.926 135.263,111.384 135.415,111.536 135.619,111.536 135.771,111.384 135.771,110.926 135.923,110.774 136.127,110.774 136.279,110.926 136.279,111.384 136.431,111.536 136.635,111.536 136.787,111.384 136.787,110.926 136.939,110.774 137.143,110.774 137.295,110.926 137.295,111.384 137.447,111.536 137.651,111.536 137.803,111.384 137.803,110.926 137.955,110.774 138.159,110.774 138.311,110.926 138.311,111.384 138.463,111.536 138.667,111.536 138.819,111.384 138.819,110.926 138.971,110.774 139.175,110.774 139.327,110.926 139.327,111.384 139.479,111.536 139.6,111.536 147.475,111.536 147.879,111.94 147.961,111.94 148.364,112.343 148.615,112.343 150.9,114.628 v3(150.9,114.65)
FMC_A9: U3.55 U11.34 | length 70.1
  Top Layer w0.127: 108.875,109.9 108.875,109.904 U3.55@109.661,110.69
  Top Layer w0.254: v3(107.075,108.45) 108.525,109.9 108.875,109.9 ; U11.34@150.1,116.35 150.125,116.325 150.125,114.725 v3(150.15,114.7)
  Signal 2 w0.254: v3(107.075,108.45) 109.169,110.544 114.8,110.544 114.902,110.544 115.054,110.696 115.054,111.154 115.206,111.306 115.41,111.306 115.562,111.154 115.562,110.696 115.714,110.544 115.918,110.544 116.07,110.696 116.07,111.154 116.222,111.306 116.426,111.306 116.578,111.154 116.578,110.696 116.73,110.544 116.934,110.544 117.086,110.696 117.086,111.154 117.238,111.306 117.442,111.306 117.594,111.154 117.594,110.696 117.746,110.544 117.95,110.544 118.102,110.696 118.102,111.154 118.254,111.306 118.458,111.306 118.61,111.154 118.61,110.696 118.762,110.544 118.966,110.544 119.118,110.696 119.118,111.154 119.27,111.306 119.474,111.306 119.626,111.154 119.626,110.696 119.778,110.544 119.982,110.544 120.134,110.696 120.134,111.154 120.286,111.306 120.49,111.306 120.642,111.154 120.642,110.696 120.794,110.544 120.998,110.544 121.15,110.696 121.15,111.154 121.302,111.306 121.506,111.306 121.658,111.154 121.658,110.696 121.81,110.544 122.014,110.544 122.166,110.696 122.166,111.154 122.318,111.306 122.522,111.306 122.674,111.154 122.674,110.696 122.826,110.544 123.182,110.544 123.69,110.544 123.85,110.544 124.029,110.724 124.281,110.975 124.281,111.191 123.957,111.514 123.957,111.729 124.101,111.873 124.317,111.873 124.64,111.55 124.855,111.55 125.107,111.801 125.246,111.94 125.5,111.94 125.855,111.94 126.008,111.788 126.008,111.385 126.16,111.233 126.363,111.233 126.516,111.385 126.516,111.94 126.516,112.379 126.668,112.531 126.871,112.531 127.024,112.379 127.024,111.94 127.024,111.385 127.176,111.233 127.379,111.233 127.532,111.385 127.532,111.94 127.532,112.379 127.684,112.531 127.887,112.531 128.04,112.379 128.04,111.94 128.04,111.385 128.192,111.233 128.395,111.233 128.548,111.385 128.548,111.94 128.548,112.379 128.7,112.531 128.903,112.531 129.056,112.379 129.056,111.94 129.056,111.385 129.208,111.233 129.411,111.233 129.564,111.385 129.564,111.94 129.564,112.379 129.716,112.531 129.919,112.531 130.072,112.379 130.072,112.092 130.224,111.94 130.575,111.94 147.308,111.94 147.712,112.344 147.794,112.344 v3(150.15,114.7)
FMC_A10: U3.56 U11.22 | length 70.5
  Top Layer w0.127: 107.75,110.025 108.2,110.475 108.652,110.475 109.221,111.043 U3.56@109.308,111.043
  Top Layer w0.254: v3(105.975,108.375) 107.625,110.025 107.75,110.025 ; v3(148.375,113.75) 150.9,111.225 U11.22@150.9,105.25
  Signal 2 w0.254: v3(105.975,108.375) 109.319,111.719 112.851,111.719 114.067,112.935 114.85,112.935 114.952,112.935 115.104,113.087 115.104,113.319 115.256,113.471 115.46,113.471 115.612,113.319 115.612,112.935 115.612,112.325 115.764,112.173 115.968,112.173 116.12,112.325 116.12,112.935 116.12,113.319 116.272,113.471 116.476,113.471 116.628,113.319 116.628,112.935 116.628,112.325 116.78,112.173 116.984,112.173 117.136,112.325 117.136,112.935 117.136,113.319 117.288,113.471 117.492,113.471 117.644,113.319 117.644,112.935 117.644,112.325 117.796,112.173 118,112.173 118.152,112.325 118.152,112.935 118.152,113.319 118.304,113.471 118.508,113.471 118.66,113.319 118.66,112.935 118.66,112.325 118.812,112.173 119.016,112.173 119.168,112.325 119.168,112.935 119.168,113.319 119.32,113.471 119.524,113.471 119.676,113.319 119.676,112.935 119.676,112.325 119.828,112.173 120.032,112.173 120.184,112.325 120.184,112.935 120.184,113.319 120.336,113.471 120.54,113.471 120.692,113.319 120.692,113.087 120.844,112.935 121.075,112.935 146.088,112.935 146.903,113.75 v3(148.375,113.75)
FMC_A11: U3.57 U11.35 | length 70
  Top Layer w0.127: 107.8,110.8 108.327,110.8 108.924,111.397 U3.57@108.954,111.397
  Top Layer w0.254: v3(107.05,110.8) 107.8,110.8 ; v3(149.275,114.65) 149.287,114.662 149.287,116.338 U11.35@149.3,116.35
  Signal 2 w0.254: v3(107.05,110.8) 108.531,112.281 108.531,112.421 109.985,113.875 123,113.875 123.102,113.875 123.254,114.027 123.254,114.485 123.406,114.637 123.61,114.637 123.762,114.485 123.762,113.875 123.762,113.491 123.914,113.339 124.118,113.339 124.27,113.491 124.27,113.875 124.27,114.485 124.422,114.637 124.626,114.637 124.778,114.485 124.778,113.875 124.778,113.491 124.93,113.339 125.134,113.339 125.286,113.491 125.286,113.875 125.286,114.485 125.438,114.637 125.642,114.637 125.794,114.485 125.794,113.875 125.794,113.491 125.946,113.339 126.15,113.339 126.302,113.491 126.302,113.875 126.302,114.485 126.454,114.637 126.658,114.637 126.81,114.485 126.81,113.875 126.81,113.491 126.962,113.339 127.166,113.339 127.318,113.491 127.318,113.875 127.318,114.485 127.47,114.637 127.674,114.637 127.826,114.485 127.826,113.875 127.826,113.491 127.978,113.339 128.182,113.339 128.334,113.491 128.334,113.875 128.334,114.485 128.486,114.637 128.69,114.637 128.842,114.485 128.842,113.875 128.842,113.491 128.994,113.339 129.198,113.339 129.35,113.491 129.35,113.875 129.35,114.485 129.502,114.637 129.706,114.637 129.858,114.485 129.858,113.875 129.858,113.491 130.01,113.339 130.214,113.339 130.366,113.491 130.366,113.875 130.366,114.485 130.518,114.637 130.722,114.637 130.874,114.485 130.874,113.875 130.874,113.491 131.026,113.339 131.23,113.339 131.382,113.491 131.382,113.875 131.382,114.485 131.534,114.637 131.738,114.637 131.89,114.485 131.89,113.875 131.89,113.491 132.042,113.339 132.246,113.339 132.398,113.491 132.398,113.875 132.398,114.485 132.55,114.637 132.754,114.637 132.906,114.485 132.906,113.875 132.906,113.491 133.058,113.339 133.262,113.339 133.414,113.491 133.414,113.723 133.566,113.875 133.65,113.875 134.353,113.875 134.684,114.206 146.856,114.206 147.3,114.65 v3(149.275,114.65)
FMC_BA0: U3.89 U11.20 | length 70.8
  Top Layer w0.127: U3.89@95.342,111.043 96.336,110.05
  Top Layer w0.254: 96.336,110.05 96.861,109.525 v3(97.675,109.525) ; U11.20@149.3,105.25 149.313,105.263 149.313,106.838 v3(149.325,106.85)
  Bottom Layer w0.254: v3(97.675,109.525) 97.681,109.531 136.4,109.531 136.654,109.531 136.825,109.702 136.991,109.702 137.162,109.531 137.162,108.718 137.365,108.515 137.467,108.515 137.67,108.718 137.67,109.531 137.841,109.702 138.007,109.702 138.178,109.531 138.178,108.718 138.381,108.515 138.483,108.515 138.686,108.718 138.686,109.531 138.857,109.702 139.023,109.702 139.194,109.531 139.194,108.718 139.397,108.515 139.499,108.515 139.702,108.718 139.702,109.531 139.873,109.702 140.039,109.702 140.21,109.531 140.21,108.718 140.413,108.515 140.515,108.515 140.718,108.718 140.718,109.531 140.889,109.702 141.055,109.702 141.226,109.531 141.226,108.718 141.429,108.515 141.531,108.515 141.734,108.718 141.734,109.531 141.905,109.702 142.071,109.702 142.242,109.531 142.242,108.718 142.445,108.515 142.547,108.515 142.75,108.718 142.75,109.531 142.921,109.702 143.087,109.702 143.258,109.531 143.258,108.718 143.461,108.515 143.563,108.515 143.766,108.718 143.766,109.328 143.969,109.531 143.975,109.531 146.644,109.531 v3(149.325,106.85)
FMC_BA1: U3.90 U11.21 | length 70.1
  Top Layer w0.127: U3.90@94.989,110.69 95.85,109.829
  Top Layer w0.254: 95.85,109.829 96.754,108.925 v3(97.125,108.925) ; v3(150.075,106.825) 150.088,106.813 150.088,105.263 U11.21@150.1,105.25
  Bottom Layer w0.254: v3(97.125,108.925) 97.097,108.953 97.097,109.281 97.094,109.284 97.094,109.766 97.434,110.106 119.5,110.106 119.602,110.106 119.754,110.258 119.754,110.716 119.906,110.868 120.11,110.868 120.262,110.716 120.262,110.106 120.262,110.087 120.414,109.935 120.618,109.935 120.77,110.087 120.77,110.106 120.77,110.716 120.922,110.868 121.126,110.868 121.278,110.716 121.278,110.106 121.278,110.087 121.43,109.935 121.634,109.935 121.786,110.087 121.786,110.106 121.786,110.716 121.938,110.868 122.142,110.868 122.294,110.716 122.294,110.106 122.294,110.087 122.446,109.935 122.65,109.935 122.802,110.087 122.802,110.106 122.802,110.716 122.954,110.868 123.158,110.868 123.31,110.716 123.31,110.106 123.31,110.087 123.462,109.935 123.666,109.935 123.818,110.087 123.818,110.106 123.818,110.716 123.97,110.868 124.174,110.868 124.326,110.716 124.326,110.106 124.326,110.087 124.478,109.935 124.682,109.935 124.834,110.087 124.834,110.106 124.834,110.716 124.986,110.868 125.19,110.868 125.342,110.716 125.342,110.106 125.342,110.087 125.494,109.935 125.698,109.935 125.85,110.087 125.85,110.106 125.85,110.716 126.002,110.868 126.206,110.868 126.358,110.716 126.358,110.258 126.51,110.106 126.825,110.106 146.891,110.106 149.906,107.091 149.906,107.034 150.075,106.865 v3(150.075,106.825)
FMC_CAS: U3.132 U11.17 | length 70.7
  Top Layer w0.127: U3.132@96.757,93.542 97.575,94.361 97.575,94.375
  Top Layer w0.254: 97.575,94.375 v3(97.9,94.7) ; v3(146.875,102.8) 146.887,102.812 146.887,105.238 U11.17@146.9,105.25
  Bottom Layer w0.254: v3(97.9,94.7) 99.201,93.399 99.248,93.399 100.522,92.125 110.068,92.125 110.474,92.531 110.976,92.531 113.325,90.182 129.9,90.182 130.002,90.182 130.154,90.334 130.154,90.537 130.306,90.69 130.51,90.69 130.662,90.537 130.662,90.182 130.662,89.826 130.814,89.674 131.018,89.674 131.17,89.826 131.17,90.182 131.17,90.537 131.322,90.69 131.526,90.69 131.678,90.537 131.678,90.182 131.678,89.826 131.83,89.674 132.034,89.674 132.186,89.826 132.186,90.182 132.186,90.537 132.338,90.69 132.542,90.69 132.694,90.537 132.694,90.182 132.694,89.826 132.846,89.674 133.05,89.674 133.202,89.826 133.202,90.182 133.202,90.537 133.354,90.69 133.558,90.69 133.71,90.537 133.71,90.182 133.71,89.826 133.862,89.674 134.066,89.674 134.218,89.826 134.218,90.175 134.225,90.182 140.457,90.182 146.875,96.6 v3(146.875,102.8)